# Altium PCB DUAL PROTECTED INPUT.PcbDoc
Units mil, origin at the board's own origin, x right, y up, seen from the top; angles counter-clockwise.
Board outline 3421 x 1967 mil, 2 copper layers (Top Layer, Bottom Layer); 68 components, 42 nets, 196 pads, 0 vias.
Unrouted connection lines stored in the file: 122.
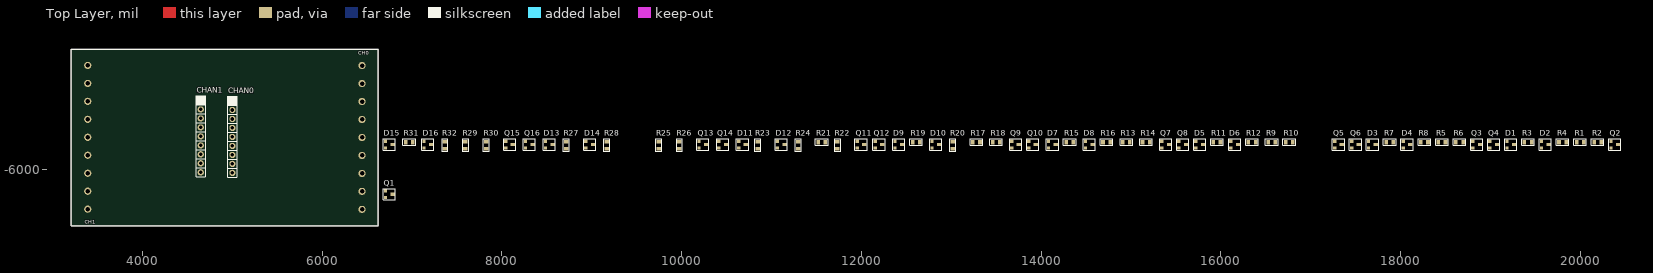
[diagram p0: Top Layer view]
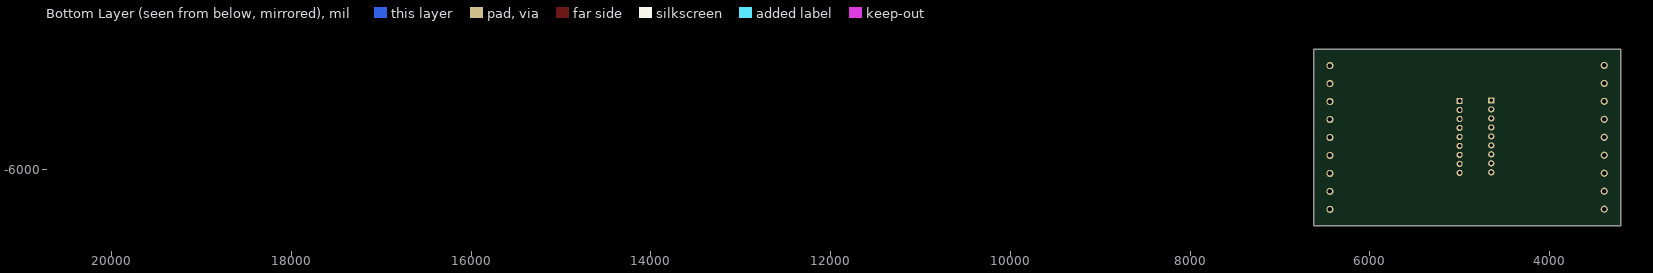
[diagram p1: Bottom Layer view, seen from below]

## Layer stack, top to bottom
Top Layer: signal copper 1.4
Dielectric: core 12.6, FR-4, Dk 4.8
Bottom Layer: signal copper 1.4

## Board outline
3205,-6621 6626,-6621 6626,-4654 3205,-4654

## Design rules (kind name [scope] priority, off if disabled: settings)
AssemblyTestPointUsage [All] p1 off:
AssemblyTestpoint [All] p1 off: testpointundercomponent=TRUE minsize=40 maxsize=100 preferedsize=60 minholesize=0 maxholesize=40 preferedholesize=32 testpointgrid=1 usegrid=TRUE gridtolerance=0.01 allowsidetop=TRUE allowsidebottom=TRUE
Clearance [All] p1: gap=10
ComponentClearance [All] p1 off: gap=10 collisioncheckmode=3 verticalgap=10 showdistances=FALSE
DiffPairsRouting [All] p1 off: maxlimit=10 minlimit=10 mostfreqgap=10 maxuncoupledlength=500
FabricationTestPointUsage TestPointUsage [All] p1 off: valid=0 allowmultiple=FALSE
FabricationTestpoint Testpoint [All] p1 off: side=3 testpointundercomponent=TRUE minsize=40 maxsize=100 preferedsize=60 minholesize=0 maxholesize=40 preferedholesize=32 testpointgrid=1 allowsidetop=TRUE allowsidebottom=TRUE usegrid=TRUE gridtolerance=0.01
FanoutControl Fanout_BGA [IsBGA] p1 off: bgadir=Out bgaviamode=Centered fanoutstyle=Auto fanoutdirection=Alternating viagrid=1 // Fanout_BGA (Default Rule)
FanoutControl Fanout_LCC [IsLCC] p2 off: bgadir=Out bgaviamode=Centered fanoutstyle=Auto fanoutdirection=Alternating viagrid=1 // Fanout_LCC (Default Rule)
FanoutControl Fanout_SOIC [IsSOIC] p3 off: bgadir=Out bgaviamode=Centered fanoutstyle=Auto fanoutdirection=Alternating viagrid=1 // Fanout_SOIC (Default Rule)
FanoutControl Fanout_Small [(CompPinCount < 5)] p4 off: bgadir=Out bgaviamode=Centered fanoutstyle=Auto fanoutdirection=OutThenIn viagrid=1 // Fanout_Small (Default Rule)
FanoutControl Fanout_Default [All] p5 off: bgadir=Out bgaviamode=Centered fanoutstyle=Auto fanoutdirection=Alternating viagrid=1 // Fanout_Default (Default Rule)
Height [All] p1 off: minheight=0 maxheight=1000 prefheight=500
HoleSize [All] p1: absolutevalues=TRUE maxlimit=500 minlimit=1 maxpercent=80.000 minpercent=20.000
LayerPairs [All] p1 off: enforce=TRUE
MinimumAnnularRing "Minimum Annular Ring" [All] p1: minimumring=5 // This is manufacturing dependent. Sierra = 5. This can go to 4 if needed, but keep 5 if possible
MinimumSolderMaskSliver [All] p1 off: minsoldermaskwidth=10
PasteMaskExpansion [All] p1 off: expansion=0
PlaneClearance [All] p1: clearance=6
PlaneConnect "PlaneConnect GND" [InNet('GND')] p1: planeconnectstyle=Direct reliefexpansion=6 reliefentries=4 reliefconductorwidth=10 reliefairgap=6
PlaneConnect "PlaneConnect GENERIC" [All] p2: planeconnectstyle=Relief reliefexpansion=20 reliefentries=4 reliefconductorwidth=10 reliefairgap=10
PolygonConnect [All] p1: connectstyle=Direct reliefconductorwidth=15 reliefentries=4 polygonreliefangle="90 Angle"
RoutingPriority [All] p1 off: routingpriority=0
RoutingTopology [All] p1 off: topology=Shortest
RoutingVias "Routing Vias" [All] p1: holewidth=10 width=30 viastyle="Through Hole" minholewidth=16 minwidth=40 maxholewidth=80 maxwidth=100 // Generic routing via rules
ShortCircuit "Short Circuit Generic Rule" [All] p1: allowed=FALSE // Short circuit Rule : No shorts allowed
SilkToSilkClearance [All] p1 off: silktosilkclearance=10
SilkscreenOverComponentPads [All] p1 off: minsilkscreentomaskgap=10
SolderMaskExpansion "SolderMask Expansion Via's" [(IsVia)] p1: expansion=-40 // Via's should be painted closed. Set to -40
SolderMaskExpansion "Solder Mask Expansion Generic" [All] p2: expansion=2 // Generic solder mask expansion
UnRoutedNet "Un Routed Net" [All] p1:  // Broken Nets not allowed
Width "Generic Width Rules" [All] p1: maxlimit=100 minlimit=10 preferedwidth=10 minimp=50.000000 maximp=50.000000 favimp=50.000000 // Generic width rules applicable if no specific rule is in effect
4 further rules are at their usual default settings.

## Components (designator, comment, footprint, x,y, rotation, side; value= is the part's Value field where it differs from the comment)
CH0 "PRKR-9-5.08MM" PRKR-9-5.08MM 6443,-6438 r90 top
CH1 "PRKR-9-5.08MM" PRKR-9-5.08MM 3391,-4836 r270 top
CHAN0 "HEADER-1X9" HEADER-1X9 5001,-5232 r0 top
CHAN1 "HEADER-1X9" HEADER-1X9 4648,-5226 r0 top
D1 "BAT54S-SOT23" SOT23-123 19184,-5679 r0 top
D2 "BAT54S-SOT23" SOT23-123 19569,-5679 r0 top
D3 "BAT54S-SOT23" SOT23-123 17645,-5679 r0 top
D4 "BAT54S-SOT23" SOT23-123 18030,-5679 r0 top
D5 "BAT54S-SOT23" SOT23-123 15722,-5679 r0 top
D6 "BAT54S-SOT23" SOT23-123 16112,-5679 r0 top
D7 "BAT54S-SOT23" SOT23-123 14084,-5679 r0 top
D8 "BAT54S-SOT23" SOT23-123 14494,-5679 r0 top
D9 "BAT54S-SOT23" SOT23-123 12375,-5679 r0 top
D10 "BAT54S-SOT23" SOT23-123 12785,-5679 r0 top
D11 "BAT54S-SOT23" SOT23-123 10635,-5679 r0 top
D12 "BAT54S-SOT23" SOT23-123 11065,-5679 r0 top
D13 "BAT54S-SOT23" SOT23-123 8484,-5679 r0 top
D14 "BAT54S-SOT23" SOT23-123 8934,-5679 r0 top
D15 "BAT54S-SOT23" SOT23-123 6704,-5679 r0 top
D16 "BAT54S-SOT23" SOT23-123 7134,-5679 r0 top
Q1 "2N7002" SOT23-GDS 6703,-6231 r0 top
Q2 "2N7002" SOT23-GDS 20343,-5679 r0 top
Q3 "2N7002" SOT23-GDS 18805,-5679 r0 top
Q4 "2N7002" SOT23-GDS 18994,-5679 r0 top
Q5 "2N7002" SOT23-GDS 17267,-5679 r0 top
Q6 "2N7002" SOT23-GDS 17456,-5679 r0 top
Q7 "2N7002" SOT23-GDS 15344,-5679 r0 top
Q8 "2N7002" SOT23-GDS 15533,-5679 r0 top
Q9 "2N7002" SOT23-GDS 13674,-5679 r0 top
Q10 "2N7002" SOT23-GDS 13863,-5679 r0 top
Q11 "2N7002" SOT23-GDS 11954,-5679 r0 top
Q12 "2N7002" SOT23-GDS 12154,-5679 r0 top
Q13 "2N7002" SOT23-GDS 10193,-5679 r0 top
Q14 "2N7002" SOT23-GDS 10414,-5679 r0 top
Q15 "2N7002" SOT23-GDS 8043,-5679 r0 top
Q16 "2N7002" SOT23-GDS 8263,-5679 r0 top
R1 "10K" 0805R-10K 19959,-5689 r0 top
R2 "10K" 0805R-10K 20154,-5689 r0 top
R3 "1K" 0805R-1K 19389,-5689 r0 top
R4 "1K" 0805R-1K 19774,-5689 r0 top
R5 "10K" 0805R-10K 18421,-5689 r0 top
R6 "10K" 0805R-10K 18616,-5689 r0 top
R7 "1K" 0805R-1K 17850,-5689 r0 top
R8 "1K" 0805R-1K 18236,-5689 r0 top
R9 "10K" 0805R-10K 16527,-5689 r0 top
R10 "10K" 0805R-10K 16722,-5689 r0 top
R11 "1K" 0805R-1K 15927,-5689 r0 top
R12 "1K" 0805R-1K 16317,-5689 r0 top
R13 "10K" 0805R-10K 14909,-5689 r0 top
R14 "10K" 0805R-10K 15129,-5689 r0 top
R15 "1K" 0805R-1K 14289,-5689 r0 top
R16 "1K" 0805R-1K 14699,-5689 r0 top
R17 "10K" 0805R-10K 13240,-5689 r0 top
R18 "10K" 0805R-10K 13460,-5689 r0 top
R19 "1K" 0805R-1K 12580,-5689 r0 top
R20 "1K" 0805R-1K 13015,-5754 r90 top
R21 "10K" 0805R-10K 11519,-5689 r0 top
R22 "10K" 0805R-10K 11734,-5764 r90 top
R23 "1K" 0805R-1K 10845,-5754 r90 top
R24 "1K" 0805R-1K 11295,-5754 r90 top
R25 "10K" 0805R-10K 9744,-5764 r90 top
R26 "10K" 0805R-10K 9974,-5764 r90 top
R27 "1K" 0805R-1K 8714,-5754 r90 top
R28 "1K" 0805R-1K 9164,-5754 r90 top
R29 "10K" 0805R-10K 7594,-5764 r90 top
R30 "10K" 0805R-10K 7824,-5764 r90 top
R31 "1K" 0805R-1K 6939,-5689 r0 top
R32 "1K" 0805R-1K 7364,-5754 r90 top

## Footprints (in the part's own frame and the unit in brackets; to place one, negate y for a bottom-side part, rotate by r counter-clockwise, add the part's x,y. Pads: shape width x height; smd on the part's side, far side on the other; paste and mask are expansions set on the pad)
0805R-1K [mil] "RESISTOR 0805"
  rect 40x50 smd: 1(-10,0) 2(70,0)
  silkscreen extent -40,-35 100,35, body extent -11,-25 70,25, height 27
0805R-10K [mil] "RESISTOR 0805"
  rect 40x50 smd: 1(0,0) 2(80,0)
  silkscreen extent -30,-35 110,35, body extent -1,-25 80,25, height 27
HEADER-1X9 [mil]
  rect 70x70 hole 40: 1(0,0)
  round 70 hole 40: 2(0,-100) 3(0,-200) 4(0,-300) 5(0,-400) 6(0,-500) 7(0,-600) 8(0,-700) 9(0,-800)
  silkscreen extent -50,-850 50,50, body extent -50,-850 50,50, height 470
PRKR-9-5.08MM [mil]
  round 80 hole 50 unplated mask+2: 1(0,0) 2(200,0) 3(400,0) 4(600,0) 5(800,0) 6(1000,0) 7(1200,0) 8(1400,0) 9(1600,0)
  body extent -100,-177 1720,177, height 598
SOT23-123 [mil]
  rect 36x36 smd: 1(0,0) 2(0,-75)
  rect 50x36 smd: 3(80,-38)
  silkscreen extent -25,-100 110,25, body extent -3,-95 94,20, height 41
SOT23-GDS [mil]
  rect 50x36 smd: D(80,-38)
  rect 36x36 smd: G(0,0) S(0,-75)
  silkscreen extent -25,-100 110,25, body extent -3,-95 94,20, height 41

## Part data
D1 D2 D3 D4 D5 D6 D7 D8 D9 D10 D11 D12 D13 D14 D15 D16: "DUAL SCHOTTKY DIODE SERIES"
Q1 Q2 Q3 Q4 Q5 Q6 Q7 Q8 Q9 Q10 Q11 Q12 Q13 Q14 Q15 Q16: library part 2N7002-SOT23, "N CHANNEL MOSFET 2N7002 SOT23"
R1 R2 R5 R6 R9 R10 R13 R14 R17 R18 R21 R22 R25 R26 R29 R30: library part 0805R-10K, "RESISTOR 0805 1/4 WATT THIN FILM"
R3 R4 R7 R8 R11 R12 R15 R16 R19 R20 R23 R24 R27 R28 R31 R32: library part 0805R-1K, "RESISTOR 0805 1/4 WATT THIN FILM"

## Nets (pads, with @x,y where several pads share a name; then routed paths per layer and width w, separated by ;. In a path a pad name is that pad's centre, name@x,y a point inside that pad or via, vN(x,y) a via of type N, cw(c..) or ccw(c..) an arc to the next point about the centre after c; other vN are vias at no path point)
CHA0: R30.2 R32.1
CHA1: R26.2 R28.1
CHA2: R22.2 R24.1
CHA3: R18.2 R20.1
CHA4: R29.2 R31.1
CHA5: R25.2 R27.1
CHA6: R21.2 R23.1
CHA7: R17.2 R19.1
GND: CH0.1 CH1.1 CHAN1.9 D1.1 D2.1 D3.1 D4.1 D5.1 D6.1 D7.1 D8.1 D9.1 D10.1 D11.1 D12.1 D13.1 D14.1 D15.1 D16.1 Q1.S Q2.S Q3.S Q4.S Q5.S Q6.S Q7.S Q8.S Q9.S Q10.S Q11.S Q12.S Q13.S Q14.S Q15.S Q16.S R3.2 R4.2 R7.2 R8.2 R11.2 R12.2 R15.2 R16.2 R19.2 R20.2 R23.2 R24.2 R27.2 R28.2 R31.2 R32.2
IA0: CHAN0.1 Q16.D
IA1: CHAN0.2 Q14.D
IA2: CHAN0.3 Q12.D
IA3: CHAN0.4 Q10.D
IA4: CHAN0.5 Q15.D
IA5: CHAN0.6 Q13.D
IA6: CHAN0.7 Q11.D
IA7: CHAN0.8 Q9.D
NetD1_3: D1.3 Q1.G R1.1
NetD2_3: D2.3 Q2.G R2.1
NetD3_3: D3.3 Q3.G R5.1
NetD4_3: D4.3 Q4.G R6.1
NetD5_3: D5.3 Q5.G R9.1
NetD6_3: D6.3 Q6.G R10.1
NetD7_3: D7.3 Q7.G R13.1
NetD8_3: D8.3 Q8.G R14.1
NetD9_3: D9.3 Q9.G R17.1
NetD10_3: D10.3 Q10.G R18.1
NetD11_3: D11.3 Q11.G R21.1
NetD12_3: D12.3 Q12.G R22.1
NetD13_3: D13.3 Q13.G R25.1
NetD14_3: D14.3 Q14.G R26.1
NetD15_3: D15.3 Q15.G R29.1
NetD16_3: D16.3 Q16.G R30.1
NetR1_2: R1.2 R3.1
NetR2_2: R2.2 R4.1
NetR5_2: R5.2 R7.1
NetR6_2: R6.2 R8.1
NetR9_2: R9.2 R11.1
NetR10_2: R10.2 R12.1
NetR13_2: R13.2 R15.1
NetR14_2: R14.2 R16.1
VCC: CHAN0.9 D1.2 D2.2 D3.2 D4.2 D5.2 D6.2 D7.2 D8.2 D9.2 D10.2 D11.2 D12.2 D13.2 D14.2 D15.2 D16.2
pads on no net: CH0.2 CH0.3 CH0.4 CH0.5 CH0.6 CH0.7 CH0.8 CH0.9 CH1.2 CH1.3 CH1.4 CH1.5 CH1.6 CH1.7 CH1.8 CH1.9 CHAN1.1 CHAN1.2 CHAN1.3 CHAN1.4 CHAN1.5 CHAN1.6 CHAN1.7 CHAN1.8 Q1.D Q2.D Q3.D Q4.D Q5.D Q6.D Q7.D Q8.D

## Silkscreen, mask and mechanical layers (free items; w line width, h text height)
Top Overlay:
  the board outline again, w1
Mechanical 1:
  lines w1: 3829,-6036.58 6402.73,-6036.58 ; 3970,-6437.58 6403.73,-6437.58 ; 3970,-6237.58 6403.73,-6237.58 ; 3981,-5235.58 6401.73,-5235.58 ; 3989,-5836.58 6402.73,-5836.58 ; 4039,-5637.58 6403.73,-5637.58 ; 4039,-4837.58 6403.73,-4837.58 ; 4041,-5037.58 6403.73,-5037.58 ; 4074,-5437.58 6403.73,-5437.58